# Altium PCB PCB_WINGLET_V1P_OSR.PcbDoc (part 4 of 4)
Units mm, origin at the board's own origin, x right, y up, seen from the top; angles counter-clockwise.
Board outline 100 x 150 mm, 4 copper layers (L1, L2, L3, L4), stack 1.586 mm thick; 401 components, 270 nets, 1431 pads, 1117 vias.
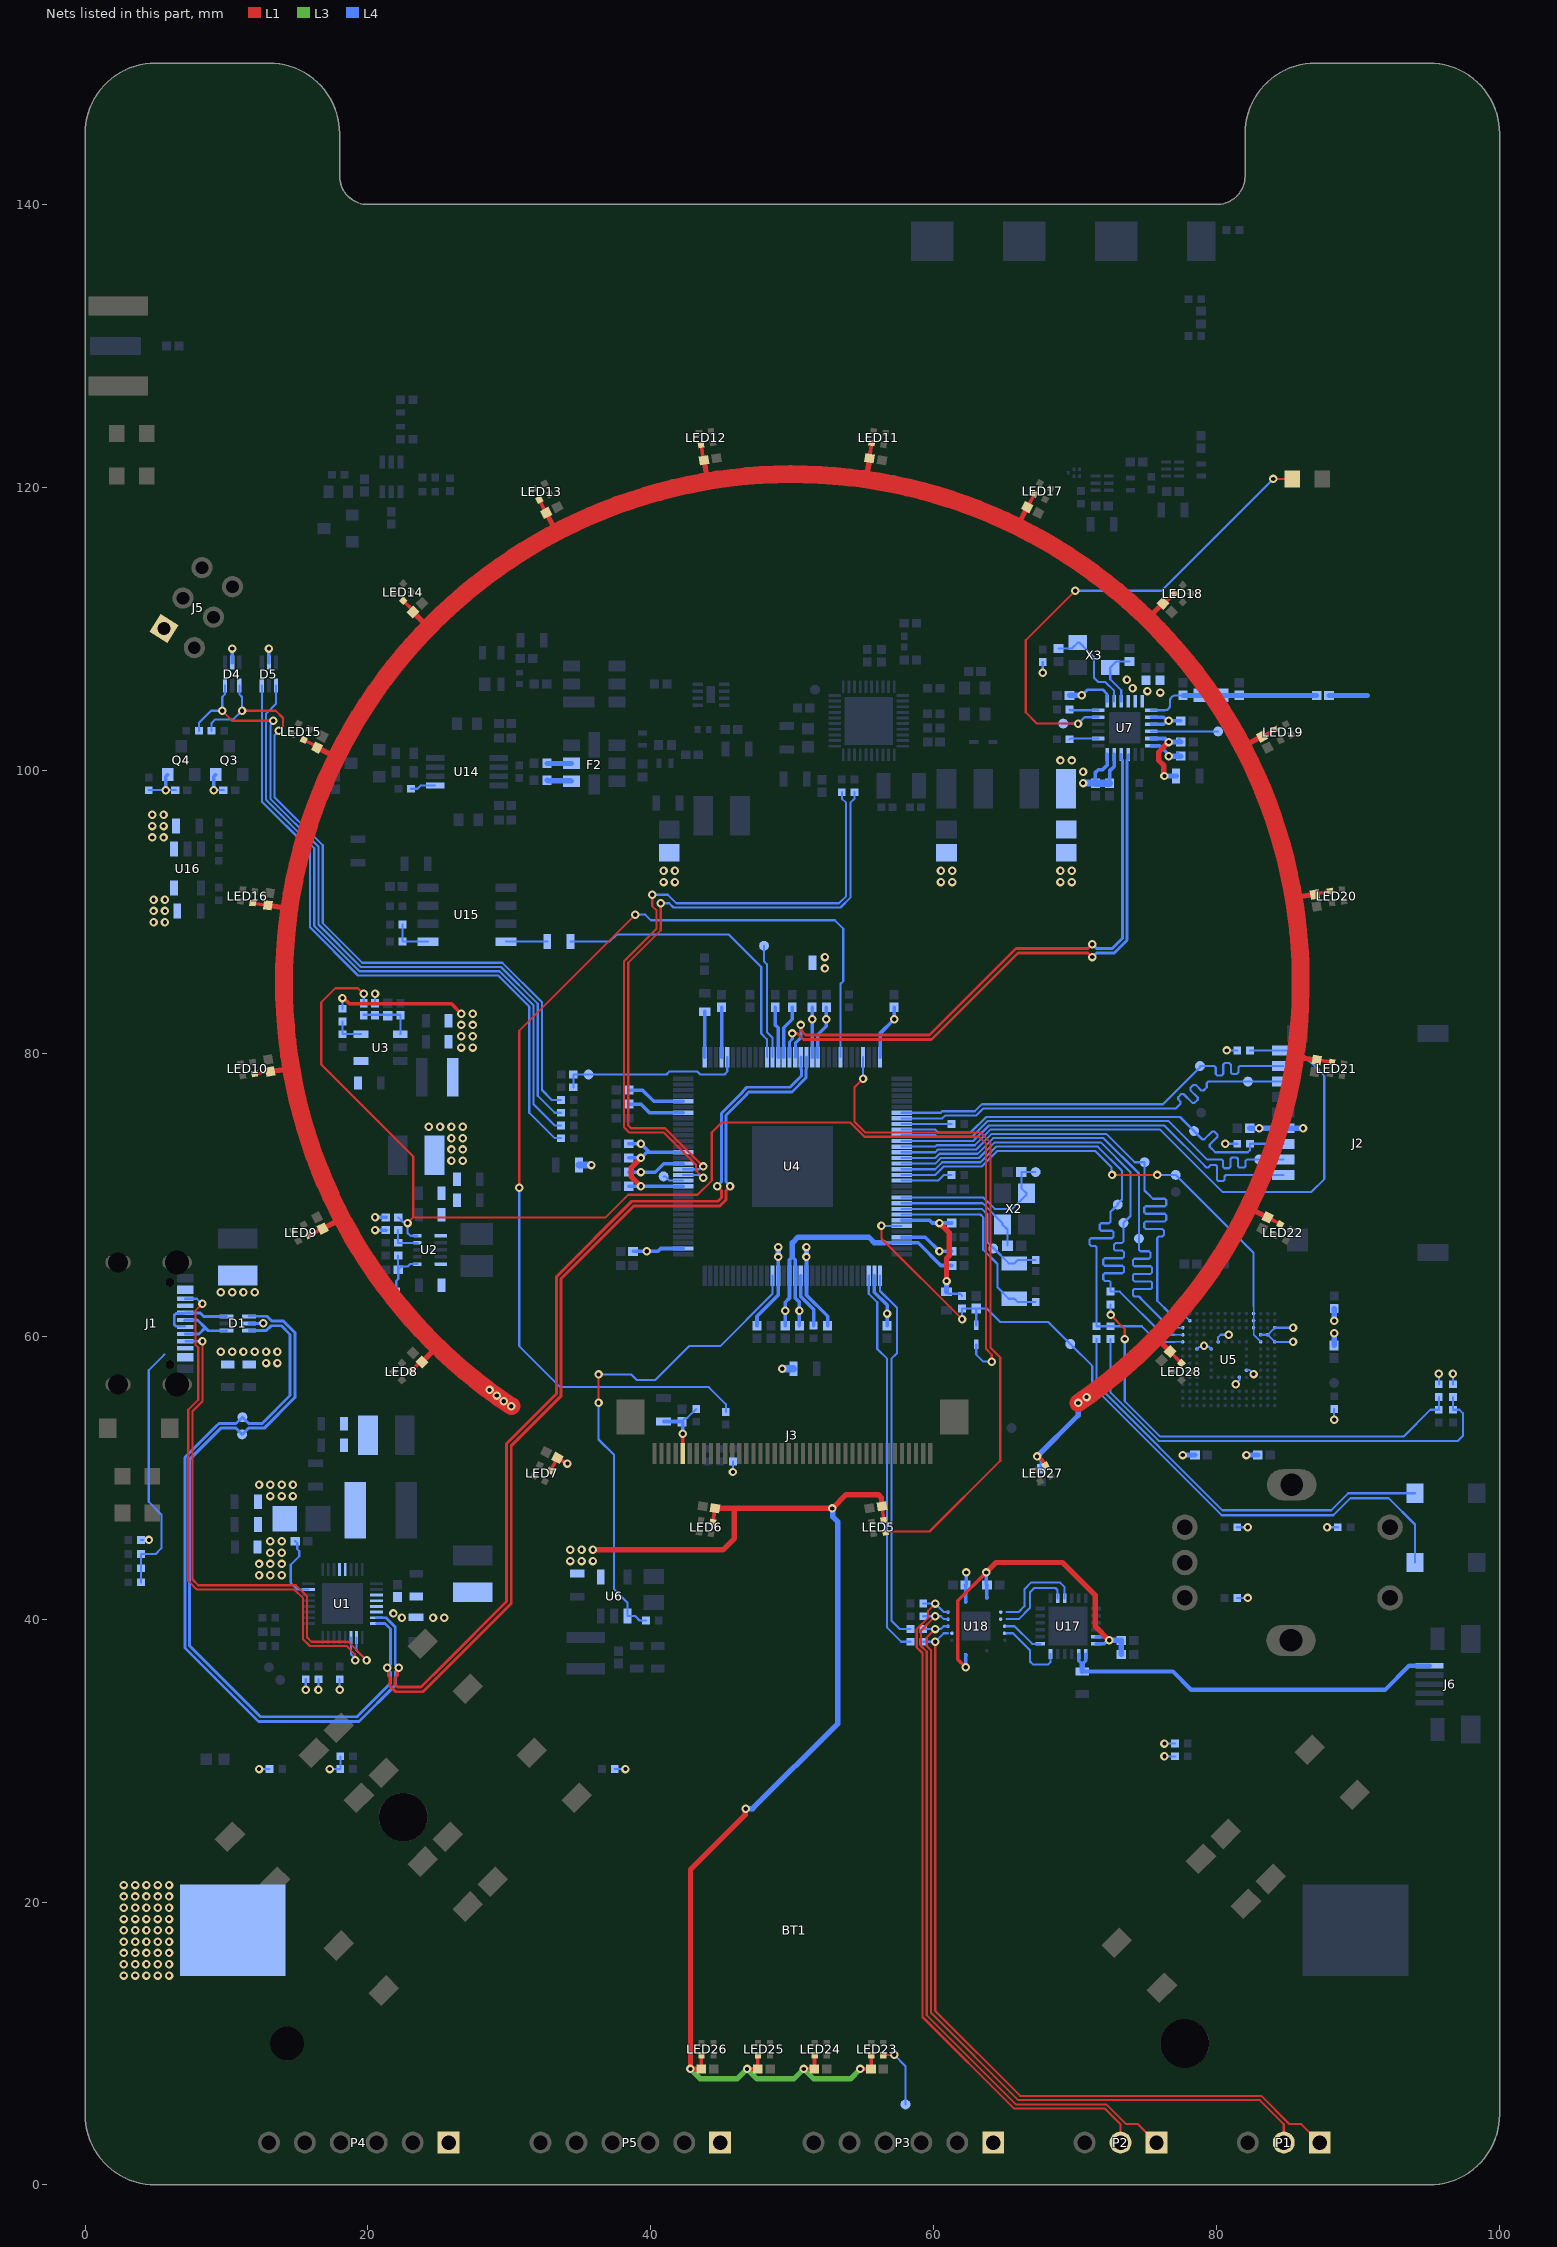
[diagram p6: the nets of this part, all layers, seen from the top]

## Via types
v1: diameter 0.6, hole 0.3, L1 to L4, tented both sides, 1103 vias
v2: diameter 0.61, hole 0.305, L1 to L4, tented both sides, 8 vias
v3: diameter 5, hole 3.2, L1 to L4, 3 vias
v4: diameter 10, hole 7, L1 to L4, 2 vias
v5: diameter 0.5, hole 0.3, L1 to L4, tented both sides, 1 vias

## Nets (pads, with @x,y where several pads share a name; then routed paths per layer and width w, separated by ;. In a path a pad name is that pad's centre, name@x,y a point inside that pad or via, vN(x,y) a via of type N, cw(c..) or ccw(c..) an arc to the next point about the centre after c; other vN are vias at no path point) (continued)
PP_LDOB_DRAM: C30.2 C43.2 C44.2 C45.2 U4.30 U4.48 U4.49 | length 24.2
  L4 w0.254: C45.2@49.5,60.74 49.5,62.4 49.8,62.7 U4.49@49.8,64.275 49.8,65.4 50,65.6 50.2,65.4 U4.48@50.2,64.275 50.2,62.697 50.5,62.397 v1(50.5,61.8) C44.2@50.5,60.74 ; 56.5,66.6 U4.30@57.725,66.6 58.9,66.6 60.5,65 C30.2@61.26,65
  L4 w0.381: 50,65.6 50,66.6 50.4,67 55.4,67 55.8,66.6 56.5,66.6
  L4 w0.508: v1@49.281,57.699 C43.2@50.074,57.699
  other v1: 49.28,57.698 49.5,61.8
PP_RTC_1V8: C38.2 R23.2 R24.1 U4.26 | length 10.1
  L1 w0.381: v1(60.4,68) 61.1,67.3 61.1,65.7 60.9,65.5 v1(60.9,63.9)
  L4 w0.152: R24.1@60.9,63.15 61.05,63 61.85,63 R23.2@62,62.85
  L4 w0.254: U4.26@57.725,68.2 59.7,68.2 59.9,68 v1(60.4,68) C38.2@61.26,68
  L4 w0.381: R24.1@60.9,63.15 v1(60.9,63.9)
PP_RTL_1V2: C88.2 C89.2 U7.11 | length 6.1
  L1 w0.381: v1(76.3,99.6) 76.258,99.642 76.258,100.342 75.9,100.7 75.9,101.3 v1(76.6,102)
  L4 w0.254: U7.11@75.375,102.25 75.377,102.252 76.348,102.252 v1(76.6,102) ; C89.2@77.344,102.193 C89.2@77.46,102
  L4 w0.381: v1(76.3,99.6) C88.2@77.125,99.6 ; v1(76.6,102) C89.2@77.46,102
PP_RTL_3V3: C80.2 C81.2 C82.2 C83.2 C84.2 C85.2 C86.2 C87.2 FB1.2 R47.1 U7.1 U7.4 U7.5 U7.6 U7.8 U7.9 U7.12 U7.17 U7.18 | length 17
  L4 w0.152: v1(67.7,106.9) R47.1@67.7,107.65
  L4 w0.203: v1(70.45,105.3) 70.467,105.3 70.867,105.7 71.95,105.7 72.25,105.4 U7.1@72.25,104.875
  L4 w0.254: C85.2@71.425,99.09 71.425,99.85 71.625,100.05 71.925,100.05 72.25,100.375 U7.18@72.25,101.125 ; C86.2@72.425,99.09 72.425,99.95 72.75,100.275 U7.17@72.75,101.125 ; U7.12@75.375,101.75 75.377,101.748 75.952,101.748 76.175,101.525 76.175,101.519 76.6,101.094 v1(76.6,101) ; U7.9@75.375,103.25 76.256,103.25 v1@76.506,103.5 ; U7.8@75.375,103.75 76.256,103.75 v1@76.506,103.5 ; C82.2@77.247,101.193 C82.2@77.46,101 ; C84.2@77.46,103.5 v1(76.6,103.5) v1@76.506,103.5
  L4 w0.381: C83.2@69.59,105.3 v1(70.45,105.3) ; v1(76.6,101) C82.2@77.46,101
  L4 w0.508: v1(70.55,99.1) 70.555,99.095 71.42,99.095 C85.2@71.425,99.09 C86.2@72.425,99.09
  other v1: 70.55,99.9 68.95,100.7 69.75,100.7 76,105.5 75.1,105.6 74.05,105.8 73.65,106.4
PP_SAO_3V3: C162.2 D4.5 D5.5 J5.1 Q3.2 Q4.2 R66.2 R77.2 R84.2 U16.1 | length 7
  L4 w0.152: R66.2@4.5,98.6 v1(5.7,98.6) R84.2@6.375,98.6 R84.2@6.425,98.6 ; v1(9.1,98.6) R77.2@9.825,98.6
  L4 w0.254: v1(5.7,98.6) 5.7,99.55 Q4.2@5.85,99.7 ; v1(9.1,98.6) 9.1,99.55 Q3.2@9.25,99.7 ; D4.5@10.4,107.615 v1(10.4,108.61) ; D5.5@13,107.615 v1(13,108.61)
  other v1: 4.75,95.26 5.55,95.26 4.75,96.06 5.55,96.06 4.75,96.86 5.55,96.86
PP_USB_UART: C163.2 C164.2 C165.2 U17.5 U17.6 U18.1 U18.8 | length 26.9
  L1 w0.254: v1(62.25,36.6) 61.7,37.15 61.7,41.3 v1(63.7,43.3)
  L1 w0.381: v1(63.7,43.3) 64.4,44 69.1,44 71.4,41.7 71.4,39.5 v1(72.4,38.5)
  L4 w0.254: v1(62.25,36.6) U18.8@62.25,37.49 ; v1(63.7,43.3) 63.7,42.46 C165.2@63.76,42.4 63.75,42.39 U18.1@63.75,41.5 ; U17.6@71.475,38.25 71.477,38.252 72.058,38.252 72.306,38.5 v1@72.341,38.5 ; U17.5@71.475,38.75 72.091,38.75 v1@72.341,38.5 ; v1(72.4,38.5) v1@72.341,38.5
  L4 w0.381: v1(72.4,38.5) C164.2@73.26,38.5 C163.2@73.26,37.5
PP_USBC_VBUS: C1.2 C2.2 C3.2 C4.2 D1.5 J1.A4-B9 J1.B4-A9 R7.2 R8.2 R10.2 U1.21 U1.22 | length 19.1
  L4 w0.152: R10.2@3.95,42.6 R8.2@3.95,43.6 R7.2@3.95,44.6 5,44.6 5.4,45 5.4,47.4 4.5,48.3 4.5,57.6 5.6,58.7
  L4 w0.206: D1.5@11.605,60.9 11.608,60.903 12.597,60.903 v1(12.6,60.907)
  other v1: 22.4,40.1 24.6,40.1 25.4,40.1 21.8,40.4 12.8,58.1 13.6,58.1 9.6,58.9 10.4,58.9 11.2,58.9 12,58.9 12.8,58.9 13.6,58.9 9.6,63.1 10.4,63.1 11.2,63.1 12,63.1
PP_VBAT: BT1.2 C11.1 C13.2 C14.2 C15.2 R5.2 U1.7 | length 4.8
  L4 w0.152: C11.1@14.86,45.5 15,45.36 15,44.946 15.146,44.8 15.146,44.446 14.546,43.846 14.546,42.554 15,42.1 U1.7@15.8,42.1
  other v1: 2.745,14.8 3.545,14.8 4.345,14.8 5.145,14.8 5.945,14.8 2.745,15.6 3.545,15.6 4.345,15.6 5.145,15.6 5.945,15.6 2.745,16.4 3.545,16.4 4.345,16.4 5.145,16.4 5.945,16.4 2.745,17.2 3.545,17.2 4.345,17.2 5.145,17.2 5.945,17.2 2.745,18 3.545,18 4.345,18 5.145,18 5.945,18 2.745,18.8 3.545,18.8 4.345,18.8 5.145,18.8 5.945,18.8 2.745,19.6 3.545,19.6 4.345,19.6 5.145,19.6 5.945,19.6 2.745,20.4 3.545,20.4 4.345,20.4 5.145,20.4 5.945,20.4 2.745,21.2 3.545,21.2 4.345,21.2 5.145,21.2 5.945,21.2 12.3,43.1 13.1,43.1 13.9,43.1 12.3,43.9 13.1,43.9 13.9,43.9 13.1,44.7 13.9,44.7 13.1,45.5 13.9,45.5 13.1,48.7 13.9,48.7 14.7,48.7 12.3,49.5 13.1,49.5 13.9,49.5 14.7,49.5
PP_VCC_3V3: C18.2 C19.2 C20.2 C21.2 C22.2 C40.2 C41.2 C42.2 C47.2 C60.2 C61.2 C62.2 C65.2 C66.2 C67.2 C68.2 C69.2 C71.2 C72.2 C161.2 C166.2 FB1.1 FB2.1 FB3.1 J2.4 J3.36 P3.1 P4.1 P5.1 R2.1 R3.1 R4.1 R12.2 R13.1 R17.2 R20.2 R29.1 R31.1 R36.2 R37.1 R38.1 R64.2 R67.2 R68.1 R73.2 R75.2 R76.2 R78.2 R79.2 R80.2 R90.1 R91.1 U2.6 U4.29 U4.34 U4.66 U4.77 U4.83 U4.128 U5.C6 U5.E6 U5.F5 U5.J10 U5.K9 U5.M4 U5.N4 U5.P3 U5.P5 U16.5 U18.14 | length 66.5
  L1 w0.254: J3.36@42.25,51.712 v1(42.25,53.1)
  L1 w0.381: v1(39.3,70.6) 38.6,71.3 38.6,71.9 v1(39.3,72.6)
  L4 w0.152: R17.2@3.95,45.6 v1(4.522,45.6) ; v1(12.3,29.4) R75.2@13.05,29.4 ; v1(15.6,35) R3.1@15.6,35.75 ; v1(16.5,35) R4.1@16.5,35.75 ; v1(17.3,29.4) R76.2@18.05,29.4 R73.2@18.05,30.3 ; v1(18,35) R2.1@18,35.75 ; R20.2@20.5,83.475 v1(20.5,84.2) ; R78.2@37.45,29.4 v1(38.2,29.4) ; C72.2@42.2,53.96 42.2,53.98 42.444,54.224 42.574,54.224 R37.1@43.2,54.85 ; v1(45.8,50.4) R38.1@45.8,51.15 ; C166.2@62.24,42.4 C166.2@62.25,42.39 ; v1(76.3,30.3) R79.2@77.05,30.3 ; v1(76.3,31.2) R80.2@77.05,31.2 ; U5.C6@78.6,59.1 78.626,59.1 78.766,59.239 79.014,59.239 v1(79.1,59.325) 79.175,59.25 79.45,59.25 U5.E6@79.6,59.1 ; U5.F5@80.1,59.6 80.1,59.925 80.275,60.1 v1(80.85,60.1) ; v1(80.6,73.6) R31.1@81.45,73.6 ; v1(80.7,80.2) R29.1@81.45,80.2 ; v1(81.35,56.6) 81.35,56.625 81.6,56.875 U5.J10@81.6,57.1 ; R68.1@81.45,41.5 v1(82.2,41.5) ; R67.2@81.45,46.5 v1(82.2,46.5) ; U5.K9@82.1,57.6 82.325,57.6 v1(82.6,57.325) ; U5.M4@83.1,60.1 U5.N4@83.6,60.1 ; v1(85.4,59.6) U5.P5@84.1,59.6 U5.N4@83.6,60.1 ; v1(85.4,60.6) U5.P3@84.1,60.6 U5.N4@83.6,60.1 ; v1(87.8,46.5) R64.2@88.55,46.5 ; v1(88.3,54.1) R36.2@88.3,54.85 ; R90.1@95.7,56.6 v1(95.7,57.35) ; R91.1@96.7,56.6 v1(96.7,57.35)
  L4 w0.254: v1(20.5,67.5) R13.1@21.275,67.5 ; v1(20.5,68.4) R12.2@21.275,68.4 ; C47.2@38.44,70.6 v1(39.3,70.6) U4.77@42.275,70.6 ; C40.2@38.44,72.6 v1(39.3,72.6) 39.7,73 39.9,73 ; C41.2@38.44,73.6 v1(39.3,73.6) 39.9,73 ; C69.2@38.74,66 40.5,66 40.7,66.2 U4.66@42.275,66.2 ; C71.2@40.9,53.975 40.908,53.967 42.192,53.967 C72.2@42.2,53.96 42.25,53.91 v1(42.25,53.1) ; U4.83@42.275,73 39.9,73 ; U4.34@55.8,64.275 55.8,63.1 56.7,62.2 v1(56.7,61.6) C60.2@56.7,60.74 ; U4.128@56.2,79.725 56.2,81.4 v1(57.2,82.4) C61.2@57.2,83.26 ; U4.29@57.725,67 59.4,67 v1(60.4,66) ; v1@60.306,66 C42.2@61.26,66 ; C166.2@62.24,42.4 62.3,42.46 v1(62.3,43.3) ; U18.14@62.25,41.225 C166.2@62.25,42.39
  L4 w0.381: v1(77.6,51.6) C66.2@78.46,51.6 ; v1(82.1,51.6) C65.2@82.91,51.6 ; C62.2@82.34,74.7 J2.4@84.7,74.7 ; J2.4@84.7,74.7 v1(86.1,74.7) ; C68.2@88.3,59.34 v1(88.3,60.2) ; v1(88.3,61.1) C67.2@88.3,61.96
  other v1: 39.7,66 25.9,72.4 26.7,72.4 25.9,73.2 26.7,73.2 25.9,74 26.7,74 83,74.7 24.3,74.8 25.1,74.8 25.9,74.8 26.7,74.8 4.85,89.26 5.65,89.26 4.85,90.06 5.65,90.06 4.85,90.86 5.65,90.86 40.9,92.1 41.7,92.1 60.5,92.1 61.3,92.1 68.95,92.1 69.75,92.1 40.9,92.9 41.7,92.9 60.5,92.9 61.3,92.9 68.95,92.9 69.75,92.9
PP_VCORE_0V9: C25.2 C26.2 C31.2 C32.2 C33.2 C34.2 C35.2 C36.2 C37.2 L3.2 R18.2 U4.46 U4.51 U4.81 U4.116 U4.117 | length 34.2
  L1 w0.254: v1(18.2,83.9) 18.294,83.9 18.694,83.5 25.9,83.5 v1(26.6,82.8)
  L4 w0.152: R18.2@18.2,83.15 v1(18.2,83.9)
  L4 w0.254: C37.2@38.44,71.6 40.3,71.6 40.9,72.2 U4.81@42.275,72.2 ; C36.2@47.5,60.74 47.5,61.406 49,62.906 U4.51@49,64.275 v1(49,65.6) ; v1(51,65.6) U4.46@51,64.275 51,62.903 52.5,61.403 C35.2@52.5,60.74 ; U4.116@51.4,79.725 C33.2@51.4,83.26 ; U4.117@51.8,79.725 51.8,81.3 52.4,81.9 C34.2@52.4,83.26
  L4 w0.381: v1(49,65.6) v1(49,66.3) ; v1(51,65.6) v1(51,66.3)
  L4 w0.508: C32.2@34.925,72.1 v1(35.8,72.1)
  other v1: 39.3,71.6 26.6,80.4 27.4,80.4 26.6,81.2 27.4,81.2 26.6,82 27.4,82 51.4,82.4 52.4,82.4 27.4,82.8 52.3,86 52.3,86.8
PP_VLED_5V0: C5.2 C6.2 C7.2 C73.2 C137.2 C138.2 C139.2 C140.2 C141.2 C142.2 C143.2 C144.2 C145.2 C146.2 C147.2 C148.2 C149.2 C150.2 C151.2 C152.2 C153.2 C154.2 C155.2 C156.2 C157.2 C158.2 C159.2 C160.2 LED5.2 LED6.2 LED7.2 LED8.2 LED9.2 LED10.2 LED11.2 LED12.2 LED13.2 LED14.2 LED15.2 LED16.2 LED17.2 LED18.2 LED19.2 LED20.2 LED21.2 LED22.2 LED23.2 LED24.2 LED25.2 LED26.2 LED27.2 LED28.2 U1.19 U1.20 U6.4 | length 321
  L1 w0.254: LED16.2@11.853,90.614 11.95,90.6 12.737,90.476 C148.2@12.931,90.465 ; LED10.2@11.986,78.547 12.083,78.56 12.906,78.69 C142.2@13.1,78.7 ; LED15.2@15.471,102.157 15.556,102.107 16.256,101.75 C147.2@16.4,101.608 ; LED9.2@15.843,67.129 15.931,67.172 16.625,67.526 C141.2@16.8,67.608 C141.2@16.928,67.434 ; LED14.2@22.5,111.998 23.189,111.309 C146.2@23.189,111.189 ; LED8.2@23.001,57.5 23.076,57.564 23.62,58.107 23.788,58.073 C140.2@23.962,58.038 ; LED13.2@32.114,119.128 32.16,119.042 32.505,118.365 C145.2@32.608,118.2 ; LED7.2@32.9,50.5 32.966,50.576 33.299,51.231 C139.2@33.392,51.4 33.566,51.272 v1(34.1,51) ; LED12.2@43.547,123.014 43.712,121.97 C144.2@43.765,121.931 ; C158.2@43.56,8.2 43.567,8.207 43.567,9.167 LED26.2@43.575,9.175 ; LED6.2@44.483,46.838 LED6.2@44.386,46.853 44.393,46.951 44.502,47.641 44.53,47.832 C138.2@44.54,47.9 ; v1(46.8,8.2) C157.2@47.56,8.2 47.567,8.207 47.567,9.167 LED25.2@47.575,9.175 ; v1(50.807,8.207) C156.2@51.567,8.207 ; C156.2@51.56,8.2 C156.2@51.567,8.207 ; LED24.2@51.575,9.175 51.567,9.167 C156.2@51.567,8.207 ; v1(54.8,8.2) C155.2@55.56,8.2 55.567,8.207 55.567,9.167 LED23.2@55.575,9.175 ; C143.2@55.465,122.069 55.465,122.082 55.431,122.116 55.453,122.133 LED11.2@55.614,123.147 ; C137.2@56.335,47.969 56.358,47.777 56.467,47.088 LED5.2@56.453,46.986 ; C149.2@66.608,118.6 66.639,118.61 LED17.2@67.114,119.543 ; v1(67.3,51.5) 67.657,51.232 ; 67.658,51.231 cw(c67.505,51.029) 67.731,51.144 67.829,50.953 LED27.2@67.886,50.872 ; C150.2@76.189,111.811 76.31,111.811 LED18.2@76.999,112.5 ; C160.2@76.711,58.911 76.711,58.901 77.5,58.112 LED28.2@77.5,58.101 ; C151.2@83.2,102.392 83.371,102.483 84.048,102.828 LED19.2@84.128,102.886 ; C154.2@83.6,68.392 83.769,68.299 84.424,67.966 LED22.2@84.5,67.9 ; C152.2@86.931,91.235 86.97,91.288 LED20.2@88.014,91.453 ; C153.2@87.069,79.535 87.26,79.508 88.047,79.384 LED21.2@88.147,79.386
  L1 w0.381: C148.2@12.931,90.465 14.019,90.293 ; C142.2@13.1,78.7 14.188,78.872 ; C147.2@16.4,101.608 17.381,101.108 ; C141.2@16.8,67.608 17.781,68.108 ; C146.2@23.189,111.189 23.968,110.41 ; C140.2@23.811,58.189 24.59,58.968 ; C145.2@32.608,118.2 33.108,117.219 ; v1(35.9,44.9) 45.1,44.9 45.9,45.7 45.9,47.828 ; C158.2@43.56,8.2 v1(42.8,8.2) 42.8,22.3 46.665,26.165 46.665,26.565 v1(46.7,26.6) ; C144.2@43.765,121.931 43.938,120.843 ; C138.2@44.54,47.9 44.612,47.828 45.9,47.828 ; 55.293,120.981 C143.2@55.465,122.069 ; C137.2@56.335,47.969 56.3,48.003 56.3,48.577 56.077,48.8 53.8,48.8 v1(52.828,47.828) 45.9,47.828 ; 66.108,117.619 C149.2@66.608,118.6 ; 75.41,111.032 C150.2@76.189,111.811 ; 75.932,59.69 C160.2@76.711,58.911 ; 82.219,101.892 C151.2@83.2,102.392 ; 82.619,68.892 C154.2@83.6,68.392 ; 85.843,91.062 C152.2@86.931,91.235 ; 85.954,79.679 C153.2@87.041,79.507
  L1 w1.27: v1(30.134,55.05) cw(c50,85) 74.511,111.285 ; v1(70.212,55.282) ccw(c50,85) 74.377,111.409
  L3 w0.381: v1(42.8,8.2) 43.5,7.5 46.1,7.5 v1(46.8,8.2) 47.5,7.5 50.1,7.5 v1(50.807,8.207) 51.515,7.5 54.1,7.5 v1(54.8,8.2)
  L4 w0.254: v1(67.3,51.5) 67.6,51.2 C159.2@67.6,50.64
  L4 w0.381: v1(46.7,26.6) 47.2,26.6 53.2,32.6 53.2,46.9 52.87,47.23 52.87,47.786 v1(52.828,47.828) ; v1(67.3,51.5) 70.211,54.411 v1(70.212,55.282) v1(70.212,55.282) ; v1@70.254,55.324 v1(70.212,55.282) ; v1(70.8,55.7) v1(70.212,55.282)
  other v1: 34.3,44.1 35.1,44.1 35.9,44.1 34.3,44.9 35.1,44.9 29.6,55.4 29.1,55.8 28.6,56.2
PP_VSYS: C8.2 C9.2 C10.2 C17.2 C24.2 L1.2 R11.1 U1.12 U1.13 U2.10 U3.4
PWDN: R63.2 U14.5 | length 1.8
  L4 w0.152: R63.2@23.05,98.7 23.5,98.7 23.725,98.925 U14.5@24.75,98.925
REG_0V9_FB: R18.1 R19.2 U3.5 | length 2.2
  L4 w0.152: R18.1@18.2,82.25 R19.2@18.2,81.35 U3.5@19.515,81.35
RFE_BAL_A: F2.6 Z8.2 | length 1.7
  L4 w0.356: Z8.2@32.66,100.5 F2.6@34.4,100.5
RFE_BAL_B: F2.5 Z9.2 | length 1.8
  L4 w0.356: Z9.2@32.66,99.3 32.695,99.265 34.365,99.265 F2.5@34.4,99.23
RGB_DOUT: LED23.1 TP28.1 | length 4.6
  L1 w0.152: LED23.1@56.425,9.175 56.437,9.187 57.187,9.187 v1(57.2,9.2)
  L4 w0.152: v1(57.2,9.2) 58,8.4 TP28.1@58,5.7
RTL_CHIP_EN: TP25.1 U7.10 | length 4.7
  L4 w0.152: U7.10@75.375,102.75 TP25.1@80.1,102.75
RTL_GPIO0: R44.2 U7.20 | length 2
  L4 w0.152: R44.2@69.6,102.2 69.65,102.25 U7.20@71.625,102.25
RTL_GPIO2: R45.2 U7.24 | length 2
  L4 w0.152: R45.2@69.6,104.3 69.65,104.25 U7.24@71.625,104.25
RTL_LED: LED3.1 TP26.1 U7.23 | length 35.4
  L1 w0.152: v1(70,112.7) 66.5,109.2 66.5,104.1 67.3,103.3 v1(70.2,103.3) ; v1(84,120.6) LED3.1@85.35,120.6
  L4 w0.152: TP26.1@69.15,103.3 v1(70.2,103.3) 70.65,103.75 U7.23@71.625,103.75 ; v1(70,112.7) 76.1,112.7 v1(84,120.6)
RTL_RF: C79.2 L5.2 U7.7 | length 4.2
  L4 w0.152: U7.7@75.375,104.25 76.35,104.25 ccw(c76.35,104.6) 76.7,104.6 76.7,104.9 cw(c77.1,104.9) 77.1,105.3 C79.2@77.6,105.3
  L4 w0.356: C79.2@77.6,105.3 L5.2@78.874,105.3
RTL_USB_D_N: U4.113 U7.16 | length 41.8
  L1 w0.206: v1(50.6,82) 50.6,81.635 50.935,81.3 59.7,81.3 65.816,87.416 70.882,87.416 71.166,87.7 v1(71.2,87.7)
  L4 w0.206: U4.113@50.2,79.725 50.212,79.737 50.212,80.712 50.6,81.1 v1(50.6,82) ; v1(71.2,87.7) 71.234,87.7 71.518,87.416 72.616,87.416 73.334,88.134 73.334,100.716 73.25,100.8 U7.16@73.25,101.125
RTL_USB_D_P: U4.112 U7.15 | length 41.9
  L1 w0.206: v1(50,81.4) 50.365,81.4 50.797,80.967 59.838,80.967 65.954,87.084 70.882,87.084 71.166,86.8 v1(71.2,86.8)
  L4 w0.206: U4.112@49.8,79.725 49.8,80.8 50,81 v1(50,81.4) ; v1(71.2,86.8) 71.234,86.8 71.518,87.084 72.754,87.084 73.666,87.996 73.666,100.716 73.75,100.8 U7.15@73.75,101.125
RTL_XI: C90.2 U7.3 X3.1 | length 4.2
  L4 w0.152: U7.3@73.25,104.875 73.25,105.669 72.475,106.444 X3.1@72.475,107.275 72.89,107.69 C90.2@73.825,107.69
RTL_XO: C91.2 U7.2 X3.3 | length 7.1
  L4 w0.152: C91.2@68.825,108.61 69.76,108.61 X3.3@70.175,109.025 70.3,109.025 71.325,108 71.325,106.55 71.625,106.25 72.125,106.25 72.75,105.625 U7.2@72.75,104.875
SAO_GPIO1: D5.1 R74.2 | length 46.1
  L4 w0.152: D5.1@13.5,106.005 13.5,104.7 12.8,104 12.8,97.9 16.2,94.5 16.2,89 19.4,85.8 29.3,85.8 31.7,83.4 31.7,76.4 33.2,74.9 R74.2@33.65,74.9
SAO_GPIO2: D5.3 R82.2 | length 46.8
  L4 w0.152: D5.3@12.5,106.005 12.5,97.8 15.9,94.4 15.9,88.9 19.3,85.5 29.2,85.5 31.4,83.3 31.4,75.8 33.2,74 R82.2@33.65,74
SAO_SCL: D4.3 R71.2 R85.1 | length 50.7
  L1 w0.152: v1(9.7,104.21) 10.41,103.5 v1(13.3,103.5)
  L4 w0.152: R85.1@8.05,102.8 8.05,103.35 8.91,104.21 v1(9.7,104.21) 9.7,105.183 9.888,105.371 9.888,105.993 D4.3@9.9,106.005 ; v1(13.3,103.5) 13.3,103.387 13.1,103.187 13.1,98 16.5,94.6 16.5,89.1 19.5,86.1 29.4,86.1 32,83.5 32,77 33.2,75.8 R71.2@33.65,75.8
SAO_SDA: D4.1 R65.2 R81.1 | length 49.8
  L1 w0.152: v1(11.1,104.21) 13.49,104.21 14,103.7 14,103.113 13.7,102.813 v1(13.7,102.8)
  L4 w0.152: R81.1@8.95,102.8 8.95,103.35 9.2,103.6 10.49,103.6 v1(11.1,104.21) 11.1,105.183 10.912,105.371 D4.1@10.912,105.993 ; v1(13.7,102.8) 13.7,102.787 13.4,102.487 13.4,98.1 16.8,94.7 16.8,89.2 19.6,86.4 29.5,86.4 32.3,83.6 32.3,77.4 33,76.7 R65.2@33.65,76.7
SOC_24M_XI: C56.2 U4.23 X2.1 | length 9.5
  L4 w0.152: U4.23@57.725,69.4 63.45,69.4 64.85,68 X2.1@64.85,67.9 65.21,67.54 C56.2@65.21,66.4
SOC_24M_XO: C57.2 TP6.1 U4.22 X2.3 | length 12.3
  L4 w0.152: U4.22@57.725,69.8 63.5,69.8 64.3,69 65.55,69 66.55,70 X2.3@66.55,70.1 66.19,70.46 C57.2@66.19,71.6 TP6.1@67.2,71.6
SOC_32K_XI: C48.2 U4.25 X1.2 | length 14.4
  L4 w0.152: U4.25@57.725,68.6 63.3,68.6 63.5,68.4 63.5,66.1 64.5,65.1 64.5,63.45 65.3,62.65 X1.2@65.7,62.65 65.94,62.41 C48.2@67.2,62.41
SOC_32K_XO: C49.2 TP5.1 U4.24 X1.1 | length 12.3
  L4 w0.152: U4.24@57.725,69 63.4,69 63.8,68.6 63.8,66.65 64.2,66.25 TP5.1@64.2,66.2 64.25,66.2 65.3,65.15 X1.1@65.7,65.15 65.94,65.39 C49.2@67.2,65.39
SOC_BOOT_SEL0: R34.2 R91.2 R93.1 | length 33.6
  L4 w0.152: R34.2@72.5,59.8 72.5,56 75.9,52.6 97.05,52.6 97.4,52.95 97.4,54.55 97.15,54.8 R93.1@96.7,54.8 R91.2@96.7,55.7
SOC_BOOT_SEL1: R33.2 R90.2 R92.1 | length 32.2
  L1 w0.152: v1(72.5,61.5) 73.5,60.5 v1(73.5,59.8)
  L4 w0.152: v1(72.5,61.5) R33.2@72.5,62.25 ; v1(73.5,59.8) 73.5,55.4 76,52.9 93.2,52.9 95.1,54.8 R92.1@95.7,54.8 R90.2@95.7,55.7
SOC_DRAM_DZQ: R25.2 U4.47 | length 3.9
  L4 w0.254: U4.47@50.6,64.275 50.6,62.8 51.5,61.9 R25.2@51.5,60.75
SOC_FEL_PC4: R35.2 SW9.1 | length 29.9
  L4 w0.152: R35.2@71.5,59.8 71.5,56.6 80.4,47.7 88.1,47.7 89.3,48.9 SW9.1@94.015,48.9
SOC_GPADC: R27.1 R28.2 TP9.1 U4.101 | length 13
  L4 w0.152: R27.1@34.525,77.6 R28.2@34.525,78.5 41.1,78.5 41.3,78.7 43.3,78.7 43.5,78.5 45.2,78.5 45.4,78.7 U4.101@45.4,79.725
SOC_HPOUTFB: C58.2 U4.100 | length 3.5
  L4 w0.254: U4.100@45,79.725 C58.2@45,83.26
SOC_HPVCC: R26.2 U4.97 | length 3.2
  L4 w0.254: U4.97@43.8,79.725 R26.2@43.8,82.95
SOC_LEDC_DO: LED5.4 U4.125 | length 48
  L1 w0.152: v1(55,78.2) 54.4,77.6 54.4,75.159 55.159,74.4 63.3,74.4 64,73.7 64,59.2 64.7,58.5 64.7,51.2 59.7,46.2 56.64,46.2 LED5.4@56.586,46.147
  L4 w0.152: v1(55,78.2) U4.125@55,79.725
SOC_NRESET: C28.2 D2.2 R23.1 SW10.1 TP4.1 U4.27 | length 55.2
  L1 w0.152: v1(56.3,67.8) 56.3,66.9 v1(62,61.2)
  L4 w0.152: v1(56.3,67.8) U4.27@57.725,67.8 ; v1(62,61.2) R23.1@62,61.95 62.01,61.96 C28.2@63,61.96 ; D2.2@63,60.775 C28.2@63,61.96 ; SW10.1@94.015,44 94.015,46.685 92.154,48.546 89.446,48.546 88.246,47.346 80.354,47.346 71.2,56.5 71.2,57.9 TP4.1@69.65,59.45 68.1,61 64.7,61 63.74,61.96 C28.2@63,61.96
SOC_PD22_PWM7: R43.1 U4.52 U6.1 | length 35.6
  L1 w0.152: v1(36.3,55.3) v1(36.3,57.3)
  L4 w0.152: v1(36.3,55.3) 36.3,52.7 37.4,51.6 37.4,42.1 38.35,41.15 U6.1@38.35,40.215 38.885,40.215 39.2,39.9 R43.1@39.65,39.9 ; v1(36.3,57.3) 38.6,57.3 39,56.9 40.3,56.9 42.7,59.3 44.9,59.3 48.6,63 U4.52@48.6,64.275